# Altium PCB MEGAphone.PcbDoc (part 1 of 5)
Units mm, origin at the board's own origin, x right, y up, seen from the top; angles counter-clockwise.
Board outline 213.75 x 99.74 mm, 4 copper layers (Component Side, Signal Layer 1, Signal Layer 2, Bottom Layer), stack 1.49 mm thick; 321 components, 321 nets, 1903 pads, 1858 vias.
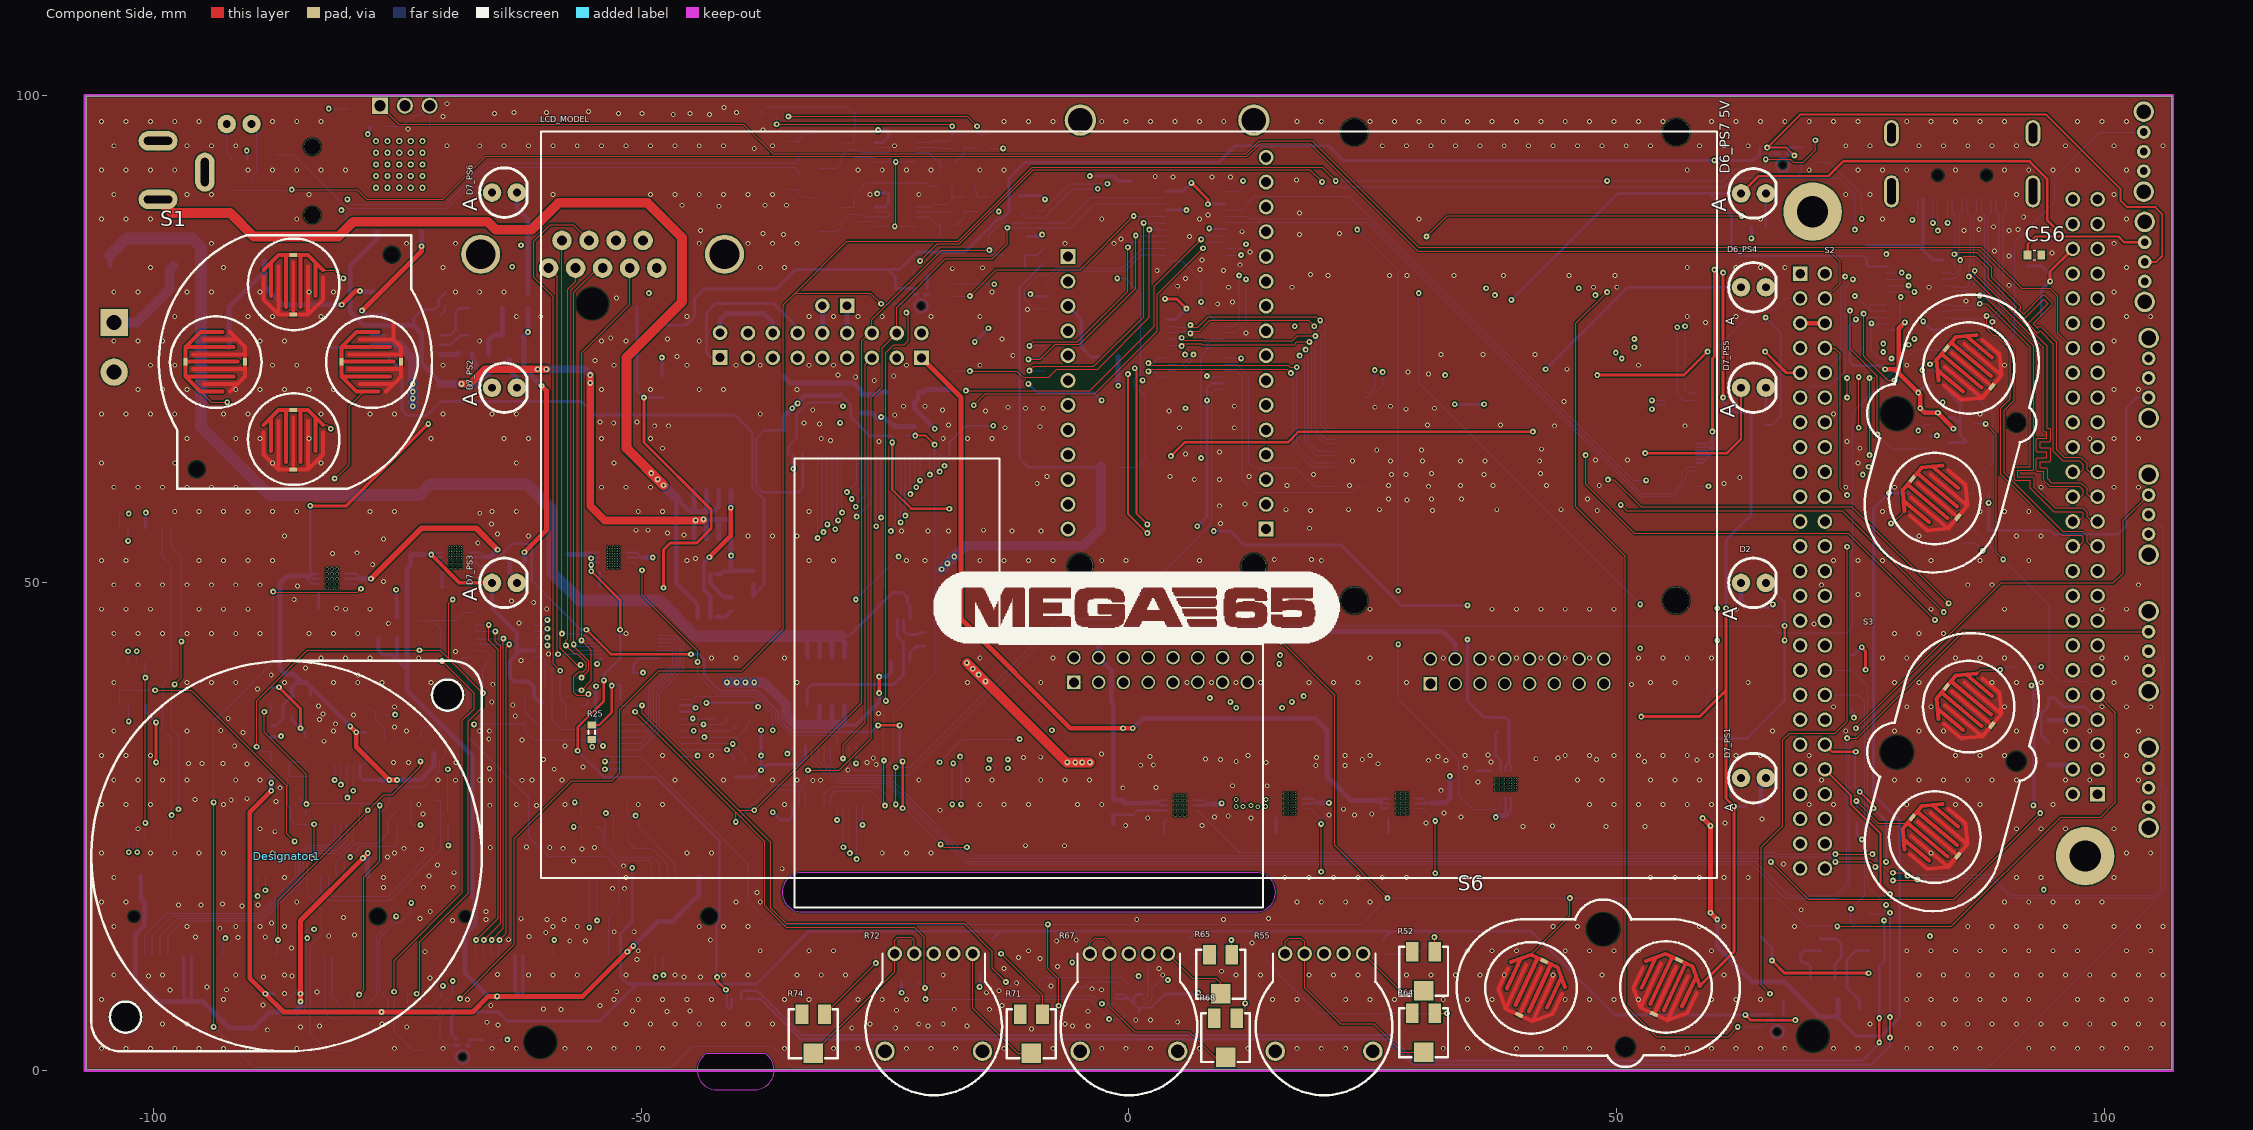
[diagram p0: Component Side view]
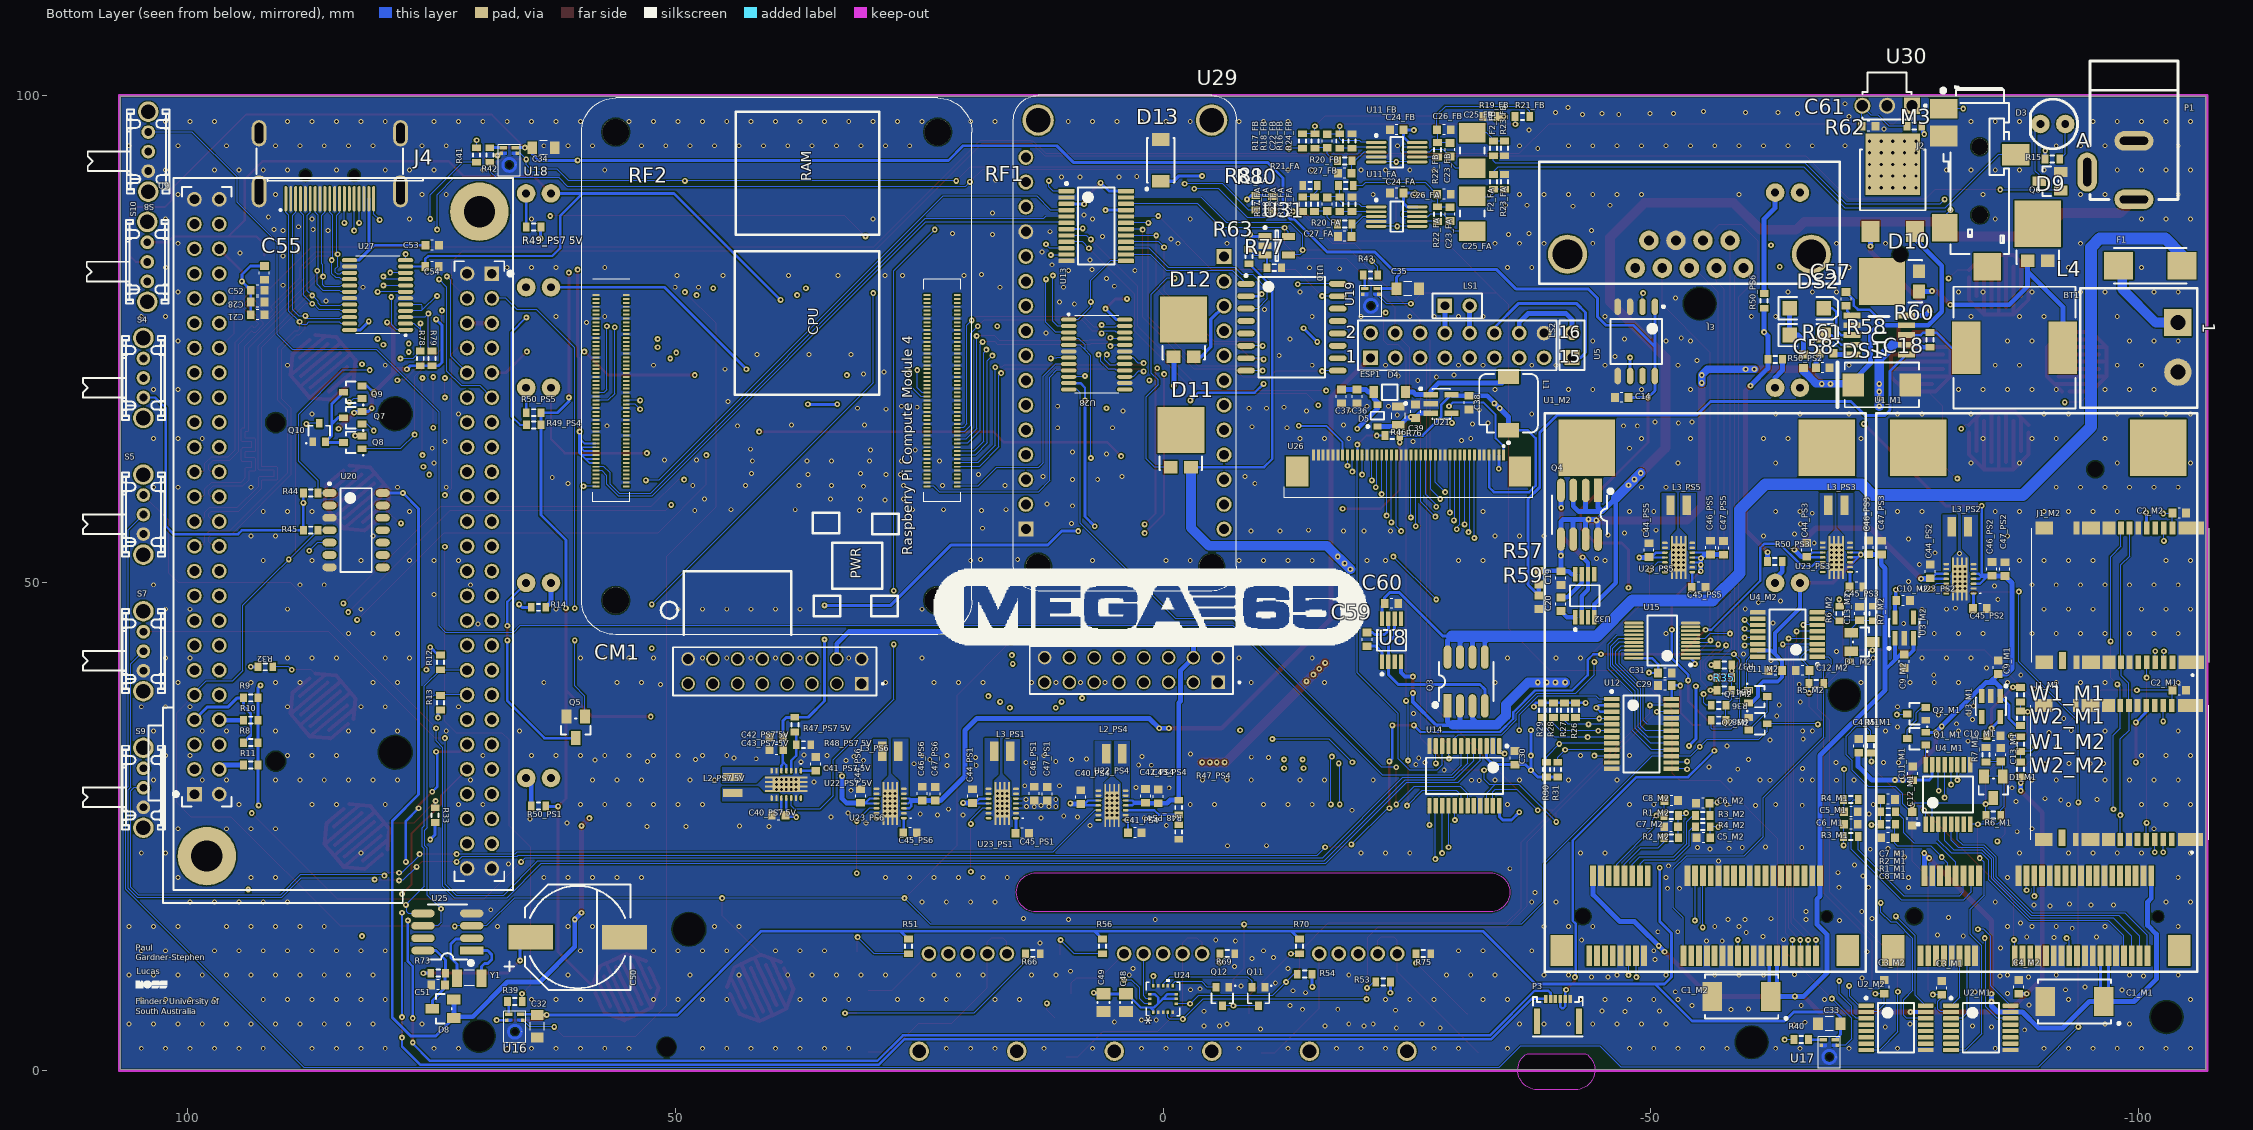
[diagram p1: Bottom Layer view, seen from below]
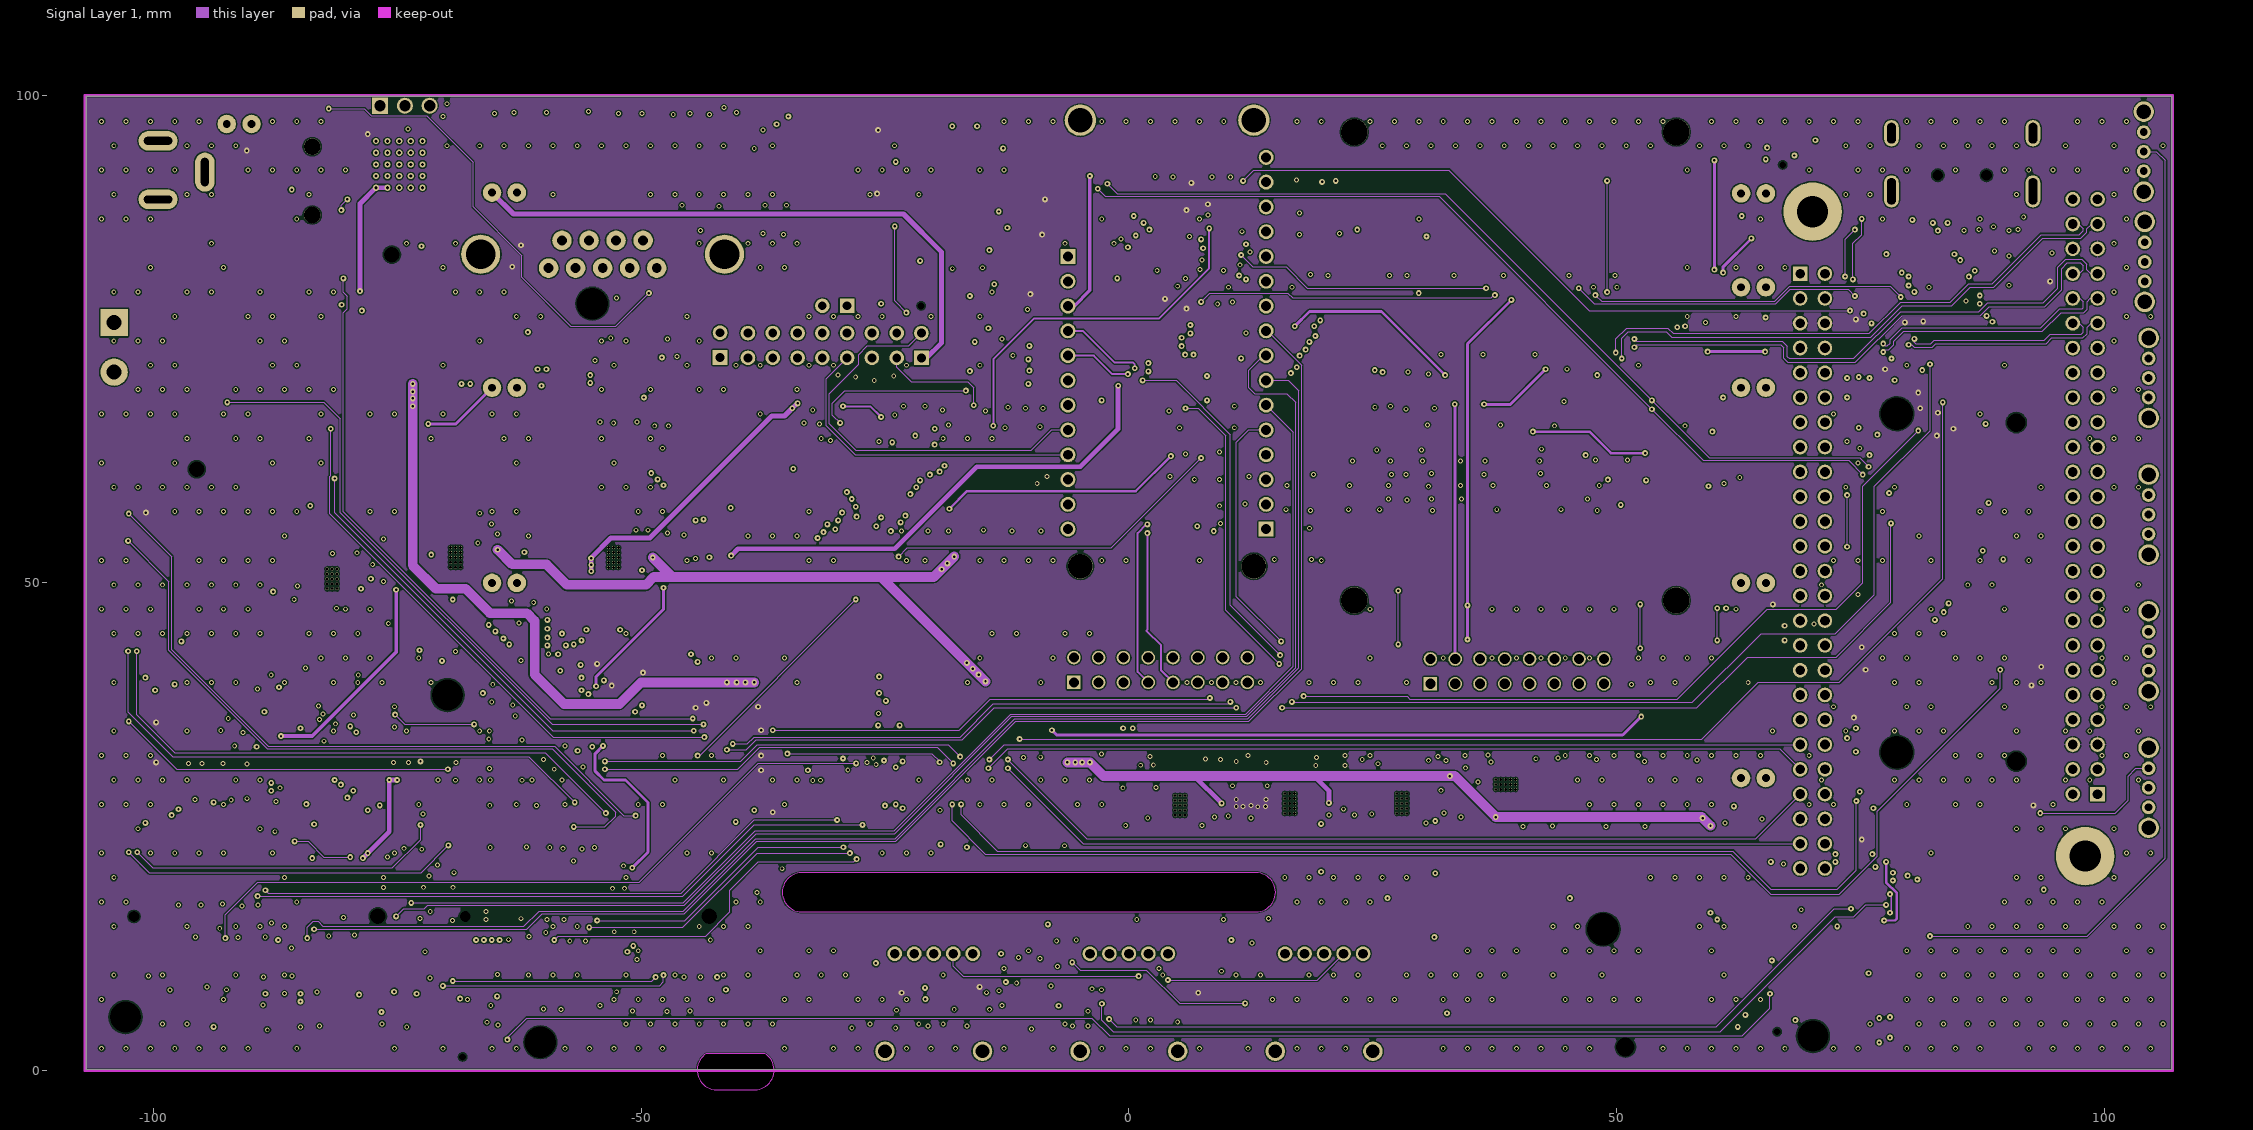
[diagram p2: Signal Layer 1]
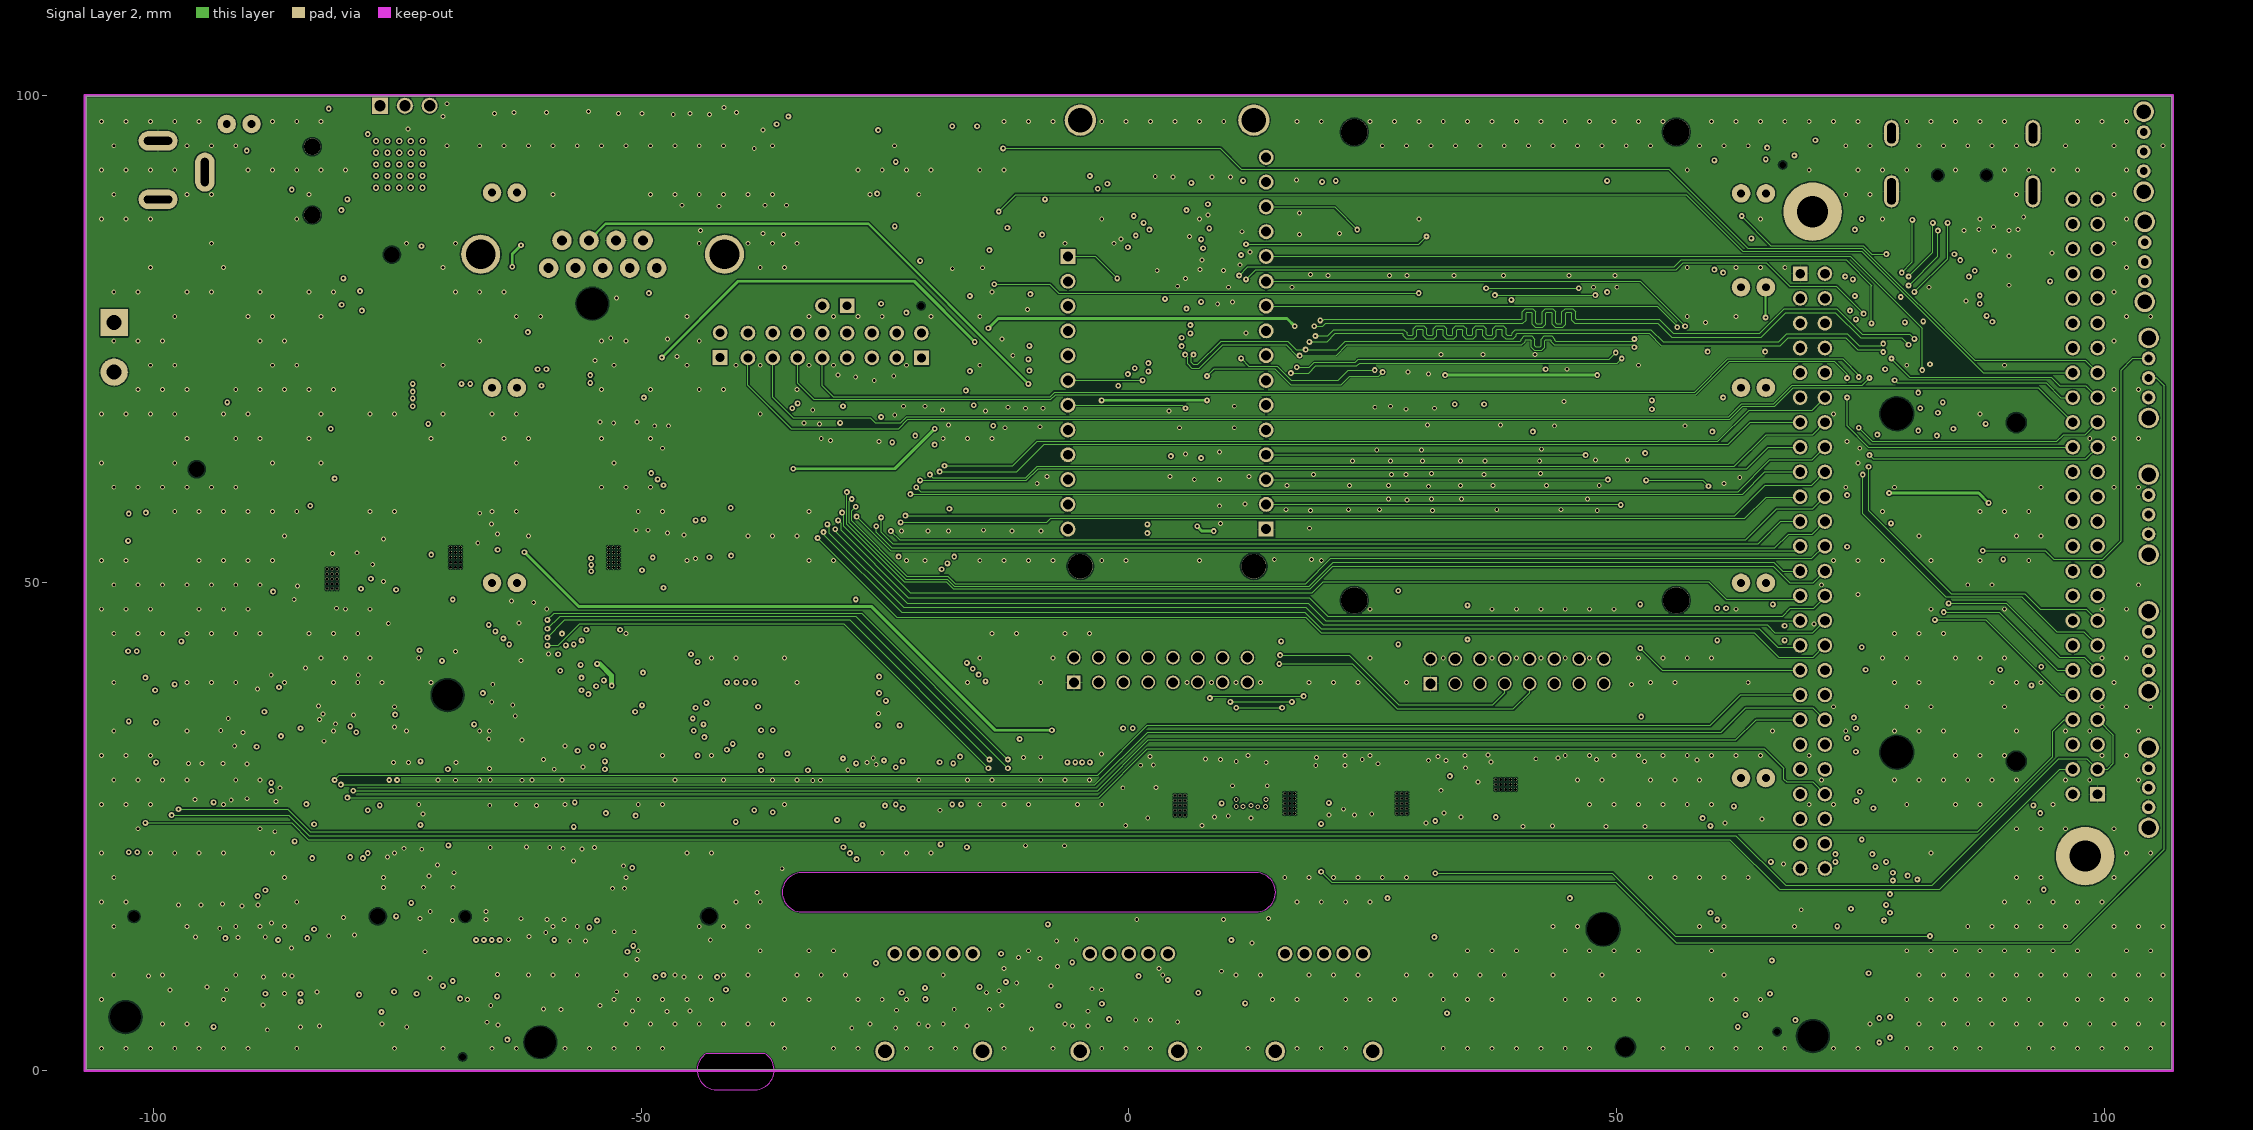
[diagram p3: Signal Layer 2]

## Layer stack, top to bottom
Top Solder: solder mask 0.0102, Solder Resist, Dk 3.5
Component Side: signal copper 0.035
Dielectric 2: dielectric 0.11, Dk 4.29
Signal Layer 1: signal copper 0.035
Dielectric 1: core 1.13, FR-4, Dk 3.96
Signal Layer 2: signal copper 0.035
Dielectric 3: dielectric 0.11, Dk 4.29
Bottom Layer: signal copper 0.035
Solder Side: solder mask 0.0102, Solder Resist, Dk 3.5

## Board outline
-106.873,0.13 -106.873,2.301 cw(c-107,2.3) -106.873,2.3 -106.873,99.868 106.873,99.868 106.873,0.13 106.873,99.868 106.873,0.13
cut-out: -33.528,16.288 13.028,16.288 ccw(c13.028,18.288) 13.028,20.288 -33.528,20.288 ccw(c-33.528,18.288)
cut-out: -42.25,-1.938 -38.35,-1.938 ccw(c-38.35,0.062) -37.296,1.762 -43.304,1.762 ccw(c-42.25,0.062)

## Design rules (kind name [scope] priority, off if disabled: settings)
Clearance [All] p1: gap=0.127 ignorepadtopadclearanceinfootprint=FALSE
DiffPairsRouting [All] p1: maxlimit=0.254 minlimit=0.254 mostfreqgap=0.254 toplayer_minwidth=0.127 toplayer_maxwidth=0.381 toplayer_prefwidth=0.127 midlayer1_minwidth=0.127 midlayer1_maxwidth=0.381 midlayer1_prefwidth=0.127 midlayer2_minwidth=0.127 midlayer2_maxwidth=0.381 midlayer2_prefwidth=0.127 bottomlayer_minwidth=0.127 bottomlayer_maxwidth=0.381 bottomlayer_prefwidth=0.127 maxuncoupledlength=12.7
Height [All] p1: minheight=0 maxheight=200 prefheight=12.7
HoleSize [All] p1: absolutevalues=TRUE maxlimit=100 minlimit=0.25 maxpercent=80.000 minpercent=20.000
HoleToHoleClearance [All] p1: gap=0.127 allowstackedmicrovias=TRUE
MatchedLengths HDMI_CONN_diff_pairs [InDifferentialPairClass('HDMI_CONN')] p1: tolerance=3 checknetsindiffpair=TRUE checkdiffpairvsdiffpair=FALSE checkxsignals=FALSE checkothers=FALSE
MatchedLengths "HDMI_RPI diff pairs" [InDifferentialPairClass('HDMI_RPI')] p2: tolerance=3 checknetsindiffpair=TRUE checkdiffpairvsdiffpair=FALSE checkxsignals=FALSE checkothers=FALSE
MatchedLengths HDMI_CONN_diff_pairs_group [InDifferentialPairClass('HDMI_CONN')] p3: tolerance=3 checknetsindiffpair=FALSE checkdiffpairvsdiffpair=TRUE checkxsignals=TRUE checkothers=TRUE
MatchedLengths HDMI_RPI_diff_pairs_group [InDifferentialPairClass('HDMI_RPI')] p4: tolerance=3 checknetsindiffpair=FALSE checkdiffpairvsdiffpair=TRUE checkxsignals=TRUE checkothers=TRUE
MinimumSolderMaskSliver [All] p1: minsoldermaskwidth=0.051
PolygonConnect PolygonConnect_Via [All vs isVia] p1: connectstyle=Direct reliefconductorwidth=0.254 reliefentries=4 polygonreliefangle="90 Angle" airgapwidth=0.254
PolygonConnect PolygonConnect_Via_P1 [All vs IsNamedPolygon('P1')] p2: connectstyle=Relief reliefconductorwidth=1.27 reliefentries=4 polygonreliefangle="90 Angle" airgapwidth=0.127
PolygonConnect PolygonConnect_Via_top [All vs OnBottomLayer] p3: connectstyle=Direct reliefconductorwidth=0.254 reliefentries=4 polygonreliefangle="90 Angle" airgapwidth=0.254
PolygonConnect [All] p4: connectstyle=Relief reliefconductorwidth=0.127 reliefentries=4 polygonreliefangle="90 Angle" airgapwidth=0.127
RoomDefinition Designator [InComponentClass('Designator')] p1: confinementstyle=ConfineIn formatcopy=TRUE lockcomponents=FALSE outline -7.6,49.1 15.5,49.1 15.5,99.8 -7.6,99.8
RoomDefinition CM4 [InComponentClass('CM4')] p2: confinementstyle=ConfineOut formatcopy=TRUE lockcomponents=FALSE outline 31.5,75 35.9,75 35.9,78.8 31.5,78.8
RoutingVias [All] p1: holewidth=0.25 width=0.6 viastyle="Through Hole" minholewidth=0.25 minwidth=0.6 maxholewidth=0.25 maxwidth=0.6
SMDNeckDown [All] p1: percent=125.000
SilkToSilkClearance [All] p1: silktosilkclearance=0
SilkToSolderMaskClearance [IsPad] p1: minsilkscreentomaskgap=0.127 clearancetoexposedcopper=TRUE
SolderMaskExpansion [All] p1: expansion=0.051
Width [All] p1: maxlimit=1.4 minlimit=0.127 preferedwidth=0.127
Width GND [InNet('GND')] p2: maxlimit=1.4 minlimit=0.127 preferedwidth=0.127
23 further rules are at their usual default settings.

## Classes and differential pairs
differential pair class HDMI_RPI: HDMI_RX0 HDMI_RX1 HDMI_RX2 HDMI_RXC
differential pair class HDMI_CONN: HDMI_TX0 HDMI_TX1 HDMI_TX2 HDMI_TXC
component class "PS7 5V": "C40_PS7 5V" "C41_PS7 5V" "C42_PS7 5V" "C43_PS7 5V" "D6_PS7 5V" "L2_PS7 5V" "R47_PS7 5V" "R48_PS7 5V" "R49_PS7 5V" "U22_PS7 5V"
component class M2: C1_M2 "C2_4G Modem2" C2_M2 C3_M2 C4_M2 C5_M2 C6_M2 C7_M2 C8_M2 C9_M2 C10_M2 C11_M2 C12_M2 C13_M2 D1_M2 J1_M2 Q1_M2 Q2_M2 R1_M2 R2_M2 R3_M2 R4_M2 R5_M2 R6_M2 R7_M2 "U1_4G Modem2" U1_M2 U1B U2_M2 U3_M2 U4_M2 W1_M2 W2_M2
component class M1: C1_M1 "C2_4G Modem1" C2_M1 C3_M1 C4_M1 C5_M1 C6_M1 C7_M1 C8_M1 C9_M1 C10_M1 C11_M1 C12_M1 C13_M1 "D1_4G Modem1" D1_M1 J1_M1 Q1_M1 Q2_M1 R1_M1 R2_M1 R3_M1 R4_M1 R5_M1 R6_M1 R7_M1 "U1_4G Modem1" U1_M1 U2_M1 U3_M1 U4_M1 W1_M1 W2_M1
component class FPGA: C21 C61 D2 D3 Q5 Q6 R8 R9 R10 R11 R12 R13 R14 R15 R62 R80 R81 U9 U10 U30
component class "Power Control": C36 C37 C38 C39 D4 D5 L1 R44 R45 R46 S4 S5 S6 S7 S8 S9 S10 U20 U21
component class U_Audio: C14 J2 LS1 LS2 U5
component class U_Battery: BT1 C18 C19 C20 C57 C58 C59 C60 D9 D10 DS1 DS2 F1 L4 M3 P1 Q3 Q4 R57 R58 R59 R60 R61 R63 R77 U7 U8 U31 U32
component class "U_Bluetooth & WIFI": ESP1
component class FB: C22_FB C23_FB C24_FB C25_FB C26_FB C27_FB F2_FB R16_FB R17_FB R18_FB "R18_U_Headphone FilterA" R19_FB "R19_U_Headphone FilterA" R20_FB R21_FB R22_FB R23_FB R24_FB U11_FB
component class FA: C22_FA C23_FA C24_FA C25_FA C26_FA C27_FA F2_FA R16_FA R17_FA R18_FA "R18_U_Headphone FilterB" R19_FA "R19_U_Headphone FilterB" R20_FA R21_FA R22_FA R23_FA R24_FA U11_FA
component class "U_I2C Expanders": C28 C29 C30 C31 J3 Q7 Q8 Q9 Q10 R25 R26 R27 R28 R29 R30 R31 R32 R33 R34 R35 R36 R37 R38 S1 S2 S3 U12 U13 U14 U15
component class "U_LoRa Radio": RF1 RF2
component class "U_MEMS MICs": C32 C33 C34 C35 R39 R40 R41 R42 R43 U16 U17 U18 U19
component class PS6: C44_PS6 C45_PS6 C46_PS6 C47_PS6 D7_PS6 L3_PS6 R50_PS6 U23_PS6
component class PS5: C44_PS5 C45_PS5 C46_PS5 C47_PS5 D7_PS5 L3_PS5 R50_PS5 U23_PS5
component class PS4: C40_PS4 C41_PS4 C42_PS4 C43_PS4 D6_PS4 L2_PS4 R47_PS4 R48_PS4 R49_PS4 U22_PS4
component class PS3: C44_PS3 C45_PS3 C46_PS3 C47_PS3 D7_PS3 L3_PS3 R50_PS3 U23_PS3
component class PS2: C44_PS2 C45_PS2 C46_PS2 C47_PS2 D7_PS2 L3_PS2 R50_PS2 U23_PS2
component class PS1: C44_PS1 C45_PS1 C46_PS1 C47_PS1 D7_PS1 L3_PS1 R50_PS1 U23_PS1
component class U_Sensors: C48 C49 C50 C51 D8 Q11 Q12 R51 R52 R53 R54 R55 R56 R64 R65 R66 R67 R68 R69 R70 R71 R72 R73 R74 R75 U24 U25 Y1
component class U_VGA: C52 C53 C54 J4 P3 R76 R78 R79 U26 U27
channel class "4G Modem": M1 M2
channel class "Headphone Filter": FA FB
channel class PowerSupply: PS1 PS2 PS3 PS4 PS5 PS6 PS7
component class CM4: C55 C56 CM1 U28
channel class PowerSupply5V: PS4 "PS7 5V"
component class Designator: D11 D12 D13 U29

## Components (designator, comment, footprint, x,y, rotation, side; value= is the part's Value field where it differs from the comment)
BT1 "Battery" "CONNECTOR PHOENIX 1757242" -104,74.14 r270 bottom
C1_M1 "470uF" "CAP Case D Tantalum" -93.4,7.1 r0 bottom locked (schematic designator C1)
C1_M2 "470uF" "CAP Case D Tantalum" -59.292,7.62 r0 bottom (schematic designator C1)
C2_M1 "100nF" "0603_CAP UF HD" -104.14,38.989 r180 bottom (schematic designator C2)
C2_M2 "100nF" "0603_CAP UF HD" -104.14,57.15 r180 bottom (schematic designator C2)
C3_M1 "1uF" "0603_CAP UF HD" -79.8,8.5 r90 bottom (schematic designator C3)
C3_M2 "1uF" "0603_CAP UF HD" -73.9,8.6 r90 bottom (schematic designator C3)
C4_M1 "1uF" "0603_CAP UF HD" -71.3,33.3 r90 bottom (schematic designator C4)
C4_M2 "1uF" "0603_CAP UF HD" -87.7,8.6 r90 bottom (schematic designator C4)
C5_M1 "33pF" "0603_CAP PF HD" -70.485,26.543 r180 bottom (schematic designator C5)
C5_M2 "33pF" "0603_CAP PF HD" -55.372,23.876 r0 bottom (schematic designator C5)
C6_M1 "33pF" "0603_CAP PF HD" -70.485,25.273 r180 bottom (schematic designator C6)
C6_M2 "33pF" "0603_CAP PF HD" -55.31,27.427 r0 bottom (schematic designator C6)
C7_M1 "33pF" "0603_CAP PF HD" -74.295,27.813 r180 bottom (schematic designator C7)
C7_M2 "33pF" "0603_CAP PF HD" -52.07,25.019 r0 bottom (schematic designator C7)
C8_M1 "33pF" "0603_CAP PF HD" -74.295,23.876 r0 bottom (schematic designator C8)
C8_M2 "33pF" "0603_CAP PF HD" -52.082,27.686 r180 bottom (schematic designator C8)
C9_M1 "1uF" "0603_CAP UF HD" -85.598,41.351 r90 bottom (schematic designator C9)
C9_M2 "1uF" "0603_CAP UF HD" -75.963,41.965 r270 bottom (schematic designator C9)
C10_M1 "1uF" "0603_CAP UF HD" -85.114,34.323 r180 bottom (schematic designator C10)
C10_M2 "1uF" "0603_CAP UF HD" -75.836,48.188 r180 bottom (schematic designator C10)
C11_M1 "100nF" "0603_CAP UF HD" -76.835,30.48 r90 bottom (schematic designator C11)
C11_M2 "100nF" "0603_CAP UF HD" -62.738,41.021 r0 bottom (schematic designator C11)
C12_M1 "100nF" "0603_CAP UF HD" -76.779,25.831 r270 bottom (schematic designator C12)
C12_M2 "100nF" "0603_CAP UF HD" -65.532,41.021 r0 bottom (schematic designator C12)
C13_M1 "1uF" "0603_CAP UF HD" -85.852,32.387 r90 bottom (schematic designator C13)
C13_M2 "1uF" "0603_CAP UF HD" -71.374,46.863 r90 bottom (schematic designator C13)
C14 "100nF" "0603_CAP UF HD" -47,69 r0 bottom
C18 "16V 100uF" KEMT-T491-D_L -73.66,70.3 r180 bottom
C19 "10uF" "0603_CAP UF HD" -40.767,50.484 r270 bottom
C20 "1uF" "0603_CAP UF HD" -40.767,47.814 r270 bottom
C21 "100nF" "0603_CAP UF HD" 92.8,77.475 r180 bottom
C22_FA "1nF COG/NPO" "0603_CAP PF HD" -16.815,88.808 r90 bottom (schematic designator C22)
C22_FB "1nF COG/NPO" "0603_CAP PF HD" -16.833,95.285 r90 bottom (schematic designator C22)
C23_FA "1nF COG/NPO" "0603_CAP PF HD" -29.406,87.792 r270 bottom (schematic designator C23)
C23_FB "1nF COG/NPO" "0603_CAP PF HD" -29.406,94.396 r270 bottom (schematic designator C23)
C24_FA "100nF" "0603_CAP UF HD" -23.945,89.951 r0 bottom (schematic designator C24)
C24_FB "100nF" "0603_CAP UF HD" -23.945,96.428 r0 bottom (schematic designator C24)
C25_FA "100uF" "1210-CAPACITOR UF" -31.692,87.841 r90 bottom (schematic designator C25)
C25_FB "100uF" "1210-CAPACITOR UF" -31.692,94.318 r90 bottom (schematic designator C25)
C26_FA "150pF COG/NPO" "0603_CAP PF HD" -28.771,89.824 r0 bottom (schematic designator C26)
C26_FB "150pF COG/NPO" "0603_CAP PF HD" -28.771,96.428 r0 bottom (schematic designator C26)
C27_FA "820pF COG/NPO" "0603_CAP PF HD" -18.611,85.506 r0 bottom (schematic designator C27)
C27_FB "820pF COG/NPO" "0603_CAP PF HD" -18.611,91.983 r0 bottom (schematic designator C27)
C28 "100nF" "0603_CAP UF HD" 92.8,78.775 r180 bottom
C29 "100nF" "0603_CAP UF HD" -51.435,39.497 r0 bottom
C30 "100nF" "0603_CAP UF HD" -36.068,32.069 r90 bottom
C31 "100nF" "0603_CAP UF HD" -51.435,40.767 r180 bottom
C32 "33nF COG" "0805 Reflow Cap" 64.135,4.572 r270 bottom
C33 "33nF COG" "0805 Reflow Cap" -68.267,4.826 r0 bottom
C34 "33nF COG" "0805 Reflow Cap" 63.5,94.6 r180 bottom
C35 "33nF COG" "0805 Reflow Cap" -25.067,80.144 r180 bottom
C36 "1uF" "0603_CAP UF HD" -19.881,69.108 r270 bottom
C37 "1uF" "0603_CAP UF HD" -18.272,69.108 r270 bottom
C38 "10uF" "0603_CAP UF HD" -31.353,68.473 r270 bottom
C39 "100nF" "0603_CAP UF HD" -25.881,67.584 r90 bottom
C40_PS4 "22uF" "0603_CAP UF HD" 8.44,28.045 r90 bottom (schematic designator C40)
"C40_PS7 5V" "22uF" "0603_CAP UF HD" 39.403,26.176 r0 bottom (schematic designator C40)
C41_PS4 "100nF" "0603_CAP UF HD" 2.9,24.4 r180 bottom (schematic designator C41)
"C41_PS7 5V" "100nF" "0603_CAP UF HD" 35.593,31.445 r90 bottom (schematic designator C41)
C42_PS4 "22uF" "0603_CAP UF HD" 1.796,28.165 r90 bottom (schematic designator C42)
"C42_PS7 5V" "22uF" "0603_CAP UF HD" 39.633,34.177 r0 bottom (schematic designator C42)
C43_PS4 "22uF" "0603_CAP UF HD" 0.5,28.122 r90 bottom (schematic designator C43)
"C43_PS7 5V" "22uF" "0603_CAP UF HD" 39.633,32.907 r0 bottom (schematic designator C43)
C44_PS1 "22uF" "0603_CAP UF HD" 19.518,28.154 r90 bottom (schematic designator C44)
C44_PS2 "22uF" "0603_CAP UF HD" -78.626,51.181 r90 bottom (schematic designator C44)
C44_PS3 "22uF" "0603_CAP UF HD" -65.965,53.384 r90 bottom (schematic designator C44)
C44_PS5 "22uF" "0603_CAP UF HD" -49.797,53.362 r90 bottom (schematic designator C44)
C44_PS6 "22uF" "0603_CAP UF HD" 31.004,28.159 r90 bottom (schematic designator C44)
C45_PS1 "100nF" "0603_CAP UF HD" 14.438,24.344 r180 bottom (schematic designator C45)
C45_PS2 "100nF" "0603_CAP UF HD" -83.706,47.371 r180 bottom (schematic designator C45)
C45_PS3 "100nF" "0603_CAP UF HD" -71.045,49.574 r180 bottom (schematic designator C45)
C45_PS5 "100nF" "0603_CAP UF HD" -54.877,49.552 r180 bottom (schematic designator C45)
C45_PS6 "100nF" "0603_CAP UF HD" 25.936,24.387 r180 bottom (schematic designator C45)
C46_PS1 "22uF" "0603_CAP UF HD" 13.202,28.408 r90 bottom (schematic designator C46)
C46_PS2 "22uF" "0603_CAP UF HD" -84.943,51.435 r90 bottom (schematic designator C46)
C46_PS3 "22uF" "0603_CAP UF HD" -72.282,53.638 r90 bottom (schematic designator C46)
C46_PS5 "22uF" "0603_CAP UF HD" -56.114,53.616 r90 bottom (schematic designator C46)
C46_PS6 "22uF" "0603_CAP UF HD" 24.688,28.413 r90 bottom (schematic designator C46)
C47_PS1 "22uF" "0603_CAP UF HD" 11.869,28.384 r90 bottom (schematic designator C47)
C47_PS2 "22uF" "0603_CAP UF HD" -86.275,51.411 r90 bottom (schematic designator C47)
C47_PS3 "22uF" "0603_CAP UF HD" -73.614,53.614 r90 bottom (schematic designator C47)
C47_PS5 "22uF" "0603_CAP UF HD" -57.446,53.592 r90 bottom (schematic designator C47)
C47_PS6 "22uF" "0603_CAP UF HD" 23.355,28.388 r90 bottom (schematic designator C47)
C48 "100nF" CAPC0805(2012)100_N 3.81,6.985 r270 bottom value=39pF
C49 "10uF" CAPC0805(2012)100_N 6.096,6.985 r270 bottom value=39pF
C50 "47mF" "CAP SMD 10.5D 5.5H" 60,13.7 r0 bottom
C51 "100nF" "0603_CAP UF HD" 74.3,8.8 r0 bottom